# Altium PCB OneBox.PcbDoc (part 6 of 13)
Units mm, origin at the board's own origin, x right, y up, seen from the top; angles counter-clockwise.
Board outline 101 x 69 mm, 6 copper layers (L1_Sig, L2_Gnd, L3_Pow, L4_Sig, L5_Gnd, L6_Sig), stack 1.538 mm thick; 766 components, 563 nets, 3133 pads, 2914 vias.
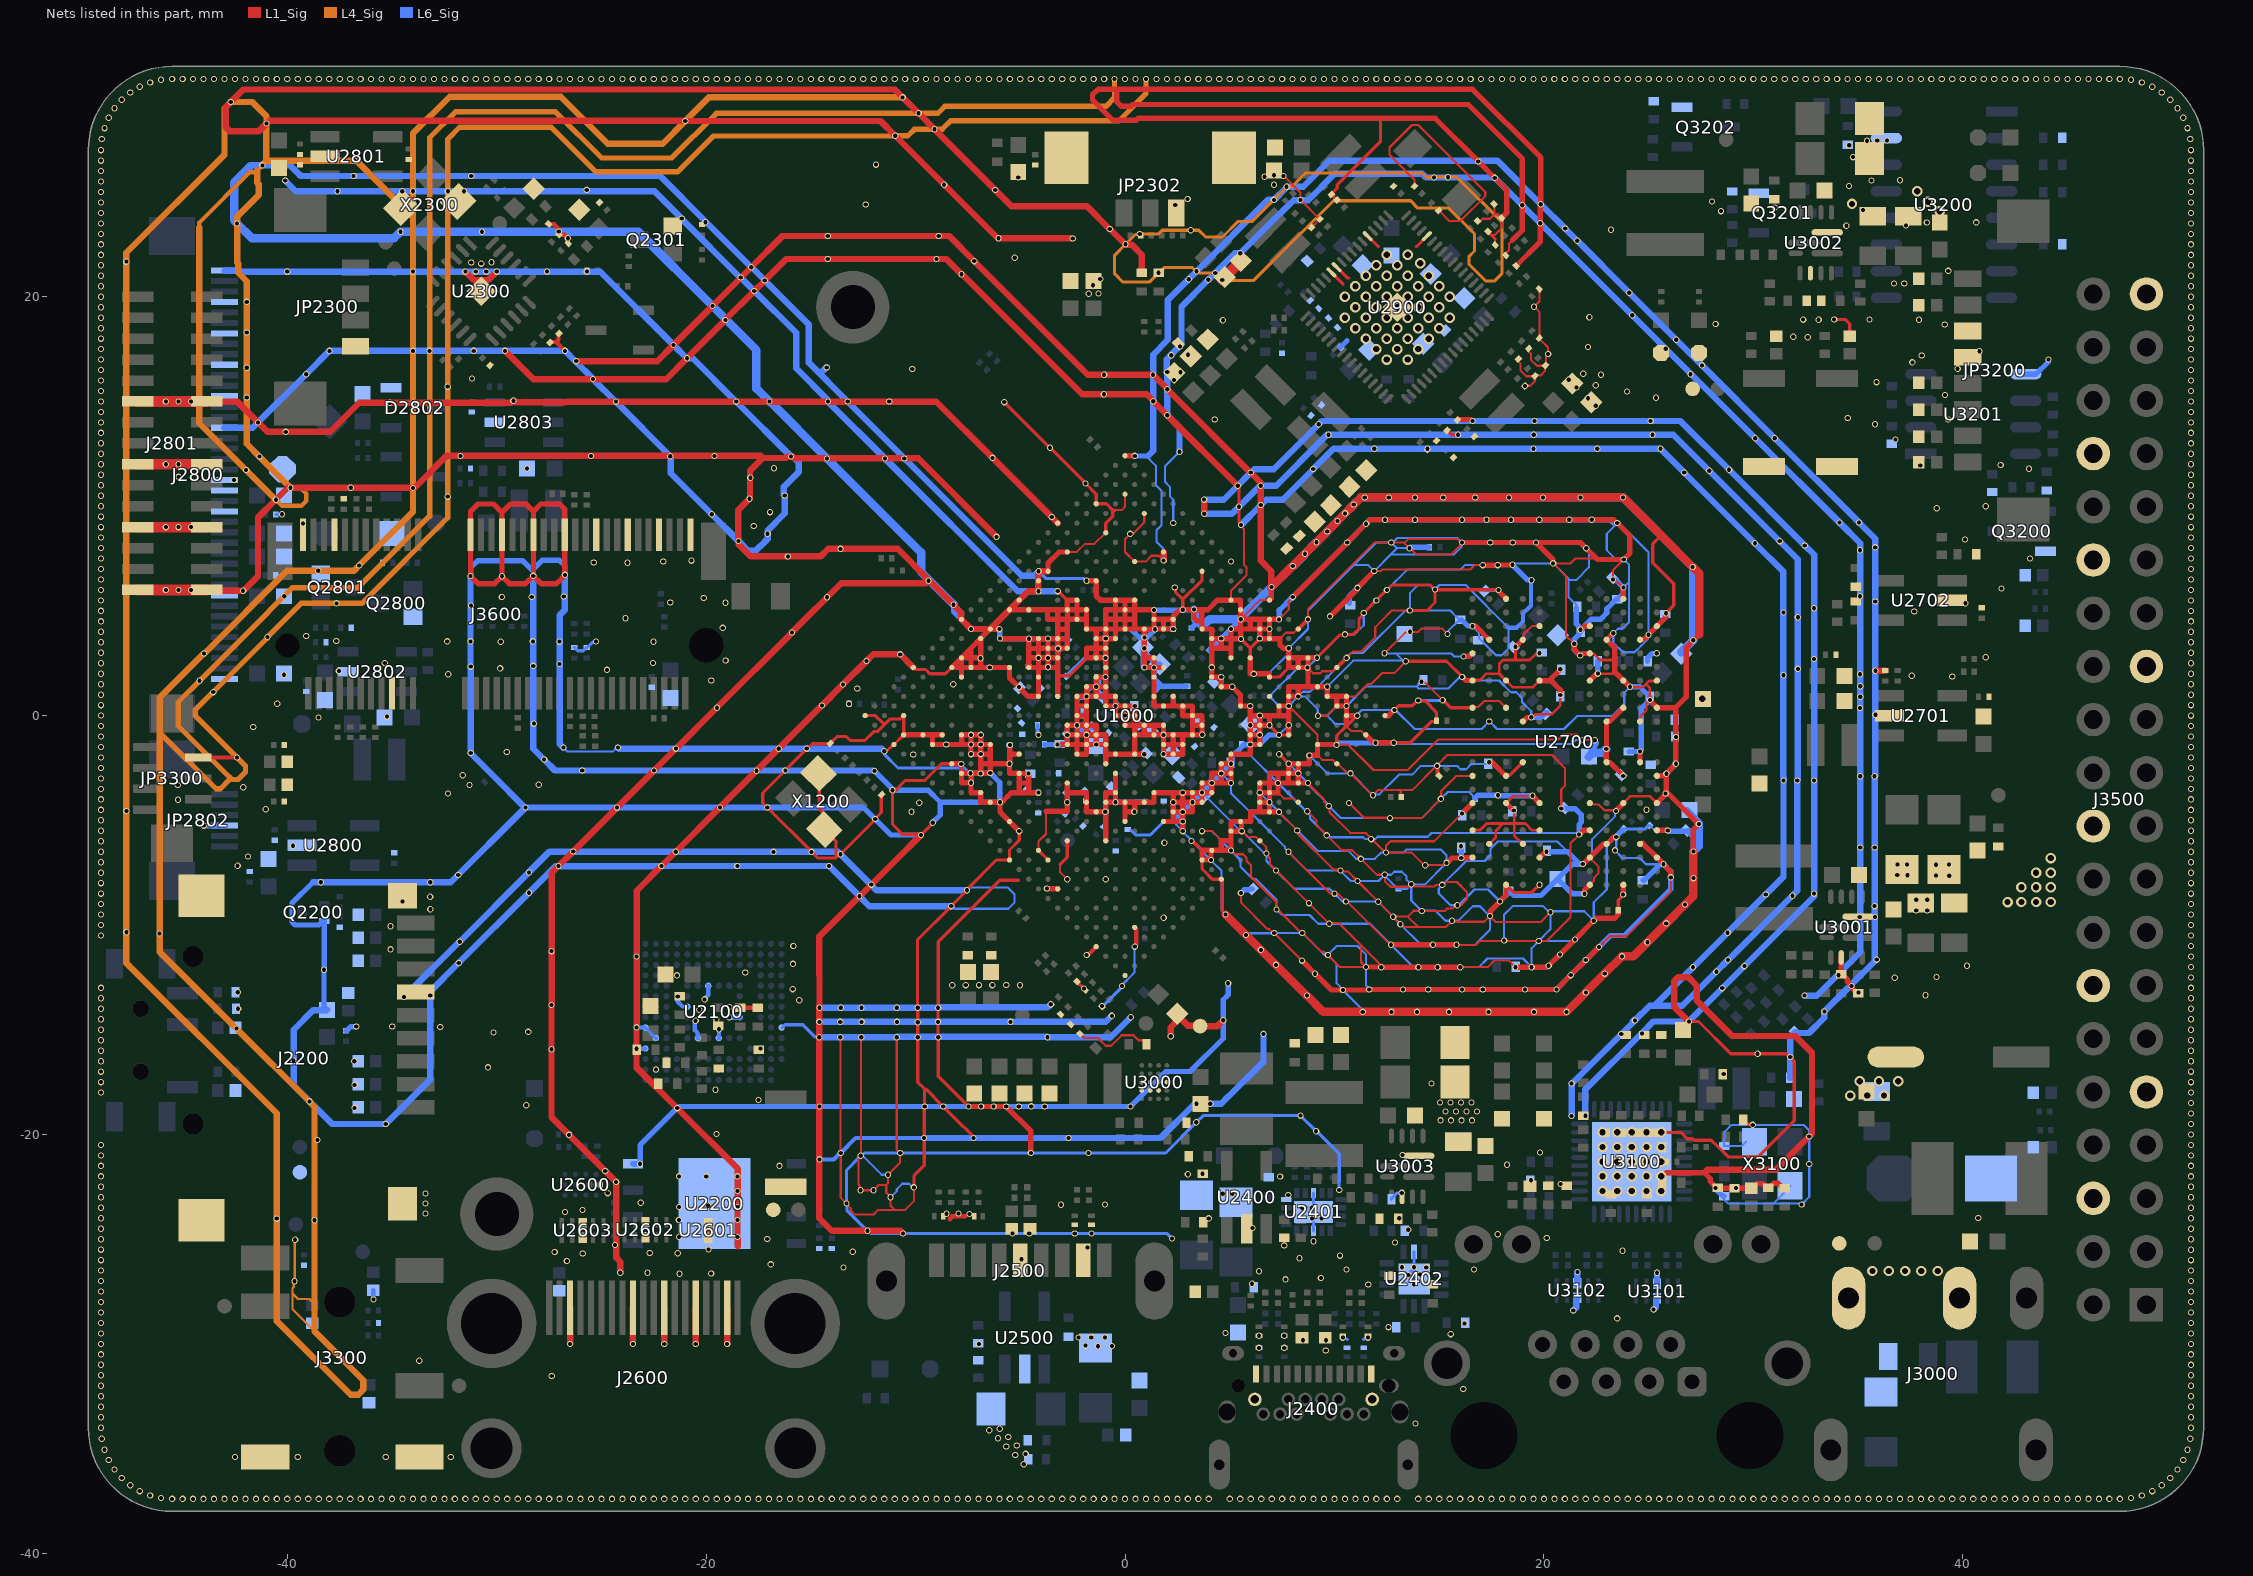
[diagram p10: the nets of this part, all layers, seen from the top]

## Via types
v1: diameter 0.3, hole 0.2, L1_Sig to L6_Sig, tented both sides, 2711 vias
v2: diameter 0.5, hole 0.3, L1_Sig to L6_Sig, tented both sides, 199 vias
v3: diameter 0.305, hole 0.203, L1_Sig to L6_Sig, tented both sides, 4 vias

## Nets (pads, with @x,y where several pads share a name; then routed paths per layer and width w, separated by ;. In a path a pad name is that pad's centre, name@x,y a point inside that pad or via, vN(x,y) a via of type N, cw(c..) or ccw(c..) an arc to the next point about the centre after c; other vN are vias at no path point) (continued)
GND: (continued)
  L1_Sig w0.254: U1000.AE27@-10.571,-0.919 U1000.AD26@-9.652,-0.919 -9.192,-0.919 ; U1000.AC25@-8.733,-0.919 -9.192,-0.919 ; U1000.AA26@-8.273,-2.298 -7.848,-2.298 -7.831,-2.315 v1(-7.818,-2.315) ; U1000.AB24@-7.814,-0.919 U1000.AB24@-7.8,-0.919 ; U1000.AE21@-7.814,1.838 -7.814,2.298 ; v1@-7.81,-2.307 -7.81,-2.754 U1000.Y26@-7.814,-2.758 ; v1(-7.472,-18.668) -7.469,-18.666 -5.678,-18.666 v1(-5.676,-18.663) -4.498,-19.841 v1(-4.498,-20.886) ; v1(-7.381,-2.751) -7.388,-2.758 U1000.Y26@-7.814,-2.758 ; v1@-7.375,-2.758 -7.372,-2.755 -6.897,-2.755 v1@-6.894,-2.758 ; v1@-7.34,-2.792 -7.34,-3 -7.354,-3.014 -7.354,-3.198 v1(-7.359,-3.203) ; U1000.AF17@-6.435,4.137 U1000.AF18@-6.894,3.677 ; v1(-5.975,3.677) -4.596,3.677 v1(-4.59,3.671) ; U1000.AF15@-5.515,5.056 U1000.AE14@-4.596,5.056 -3.7,5.056 ; U1000.V23@-5.5,-2.283 -5.5,-1.838 ; v1(-5.5,-1.4) -5.5,-1.838 ; v1(-5.056,-5.515) -5.975,-4.596 v1(-5.975,-4.137) ; U1000.V22@-5.056,-1.838 -5.5,-1.838 ; v1(-4.137,-3.677) -4.6,-3.677 ; -3.775,-4.565 -2.758,-4.565 v1(-2.758,-4.137) -2.758,-3.677 ; v1(-3.732,-8.256) -3.724,-8.265 -3.226,-8.265 U1000.J27@-3.217,-8.273 ; v1(-3.677,2.305) -3.685,2.298 -4.137,2.298 ; U1000.AF11@-3.677,6.894 -3.677,7.278 -3.141,7.814 U1000.AF9@-2.758,7.814 ; v1(-3.232,-1.379) U1000.T19@-2.758,-1.379 -2.298,-1.379 ; U1000.W17@-3.217,0.919 -3.217,1.9 -3.217,2.298 ; v1@-3.217,3.172 U1000.AA15@-3.217,2.758 ; v1@-3.217,3.283 U1000.AB14@-3.217,3.677 ; v1(-3.194,3.21) v1@-3.202,3.217 ; U1000.P21@-2.758,-3.217 -2.758,-3.677 ; U1000.T19@-2.758,-1.336 v1(-2.758,-0.919) ; U1000.V15@-1.841,1.376 U1000.V15@-1.838,1.379 ; -1.838,4.596 U1000.AB12@-2.298,4.596 ; v1(-1.838,6.438) -1.835,6.435 U1000.AC9@-1.379,6.435 -1.379,5.715 -1.179,5.515 U1000.AA9@-0.46,5.515 ; v1(-0.934,2.758) U1000.W13@-1.379,2.758 ; U1000.J22@-0.919,-5.975 -0.919,-4.65 -0.932,-4.638 -0.932,-4.609 v1@-0.919,-4.596 ; U1000.N18@-0.919,-2.298 -0.919,-1.838 ; U1000.W12@-0.919,3.217 -1.379,3.217 ; U1000.M18@-0.46,-2.758 U1000.L19@-0.46,-3.677 ; U1000.J20@0,-5.056 0,-4.596 ; U1000.AH1@0,12.41 0.459,12.41 v1(0.466,12.402) ; 0.166,-4.596 0,-4.596 ; 0.166,-4.596 0.436,-4.596 v1(0.445,-4.586) 0.455,-4.576 0.455,-4.541 0.457,-4.538 0.457,-4.137 ; U1000.U10@0.907,3.217 v1(0.919,3.217) ; v1(0.913,-1.844) 0.908,-1.838 U1000.M16@0.46,-1.838 ; U1000.T11@0.919,2.298 v1(0.921,2.296) ; v1@0.919,3.727 v1(0.922,3.73) 0.922,3.22 v1(0.919,3.217) ; v1@0.919,3.73 U1000.V9@0.919,4.137 ; v1@1.38,5.041 v1@1.38,5.037 ; v1(1.384,5.037) v1@1.38,5.037 ; v1(1.433,4.121) 1.428,4.126 0.93,4.126 U1000.V9@0.919,4.137 ; U1000.G18@1.838,-5.056 2.298,-5.056 ; U1000.R10@1.838,2.298 v1(1.379,2.298) ; U1000.N11@2.298,0.919 2.298,0.46 ; v1(2.758,-5.515) v1(2.758,-5.056) ; U1000.R6@3.674,4.14 3.674,4.523 ; U1000.R6@3.677,4.137 4.137,4.137 U1000.P6@4.137,3.677 ; v1(4.101,-6.891) 4.081,-6.891 4.08,-6.89 3.681,-6.89 U1000.C18@3.677,-6.894 3.677,-6.435 U1000.C17@4.137,-6.435 ; v1@4.102,-6.878 4.102,-6.469 U1000.C17@4.137,-6.435 ; U1000.M6@5.056,2.758 5.056,3.217 ; U1000.C14@5.515,-5.056 5.558,-5.099 5.558,-5.506 v1(5.568,-5.515) U1000.C15@5.056,-5.515 ; v1@5.52,3.672 5.525,3.677 5.525,3.926 5.515,3.936 5.515,4.137 ; v1(5.535,3.653) 5.525,3.663 5.269,3.663 5.256,3.677 5.056,3.677 ; U1000.L5@5.975,2.758 5.975,1.994 v1(6.141,1.994) 6.894,1.994 U1000.J5@6.894,1.838 ; U1000.N1@6.894,5.515 6.988,5.609 v1@6.988,6.127 ; v1(7.354,-4.596) U1000.B12@6.894,-4.596 ; v1(7.354,4.596) U1000.M2@6.894,4.596 ; U1000.E7@7.814,-0.919 v1(7.814,-0.46) 7.814,0 ; v1(8.009,5.658) v1(10.614,8.262) v1(11.512,9.16) 11.704,9.352 v1(12.41,9.352) v1(13.847,9.352) v1(16.092,9.352) v1(17.259,9.352) v1(18.426,9.352) v1(19.773,9.352) v1(21.21,9.352) v1(22.288,9.352) 23.334,9.352 23.486,9.2 v1(23.5,9.2) 24.1,8.6 24.1,7.739 v1(23.813,7.452) 22.559,7.452 ; v1(8.449,-11.7) v1(9.074,-12.326) ; v1(8.733,-3.217) U1000.B9@8.273,-3.217 ; v1@8.733,4.593 v1(8.733,4.596) ; v1@9.098,-12.335 9.863,-13.1 v1(10.4,-13.1) 11.625,-13.1 11.646,-13.079 v1(11.659,-13.079) v1(13.276,-13.079) v1(14.475,-13.079) v1(16.092,-13.079) v1(17.079,-13.079) v1(19.091,-13.079) v1(20.596,-13.079) v1(21.282,-12.393) v1(22,-11.674) v1(22.629,-11.046) ; v1(9.164,2.762) 9.16,2.758 U1000.H2@8.733,2.758 ; v1(9.783,4.739) 11.09,6.046 v1@11.09,6.09 ; U1000.B5@10.112,-1.379 U1000.C6@9.192,-1.379 9.192,-1.9 v1(8.8,-1.9) 8.8,-2.298 U1000.C8@8.273,-2.298 ; 10.562,-0.5 U1000.C3@10.562,-0.009 ; v1@11.055,-0.008 10.579,-0.008 U1000.C3@10.571,0 v1(10.571,0.46) ; v1(11.1,6.1) v1(11.9,6.9) ; v1(11.5,-12) 11.506,-12.006 v1@12.224,-12.006 ; U1000.A3@11.504,-0.919 11.868,-1.283 11.951,-1.283 v1(11.961,-1.293) v1(12.825,-1.293) ; v1(12.23,-12.012) v1(14.005,-12.012) v1(14.924,-12.012) v1(16.002,-12.012) ; U1000.A1@12.41,0 12.589,0 v1@12.849,0.26 ; v1(12.7,-10.946) v1(14.698,-10.946) v1(15.822,-10.946) ; v1(15.351,-7.032) 15.365,-7.032 15.601,-6.795 v1(16.051,-6.795) 16.065,-6.795 16.079,-6.781 16.587,-6.781 U2700.Y1@16.592,-6.776 ; C2919.1@15.877,14.123 15.892,14.138 16.506,14.138 16.574,14.07 v1(16.587,14.07) ; v1(16.092,8.262) v1(17.439,8.262) v1(18.516,8.262) v1(19.619,8.262) ; v1(16.093,-4.67) 16.096,-4.67 16.589,-4.176 U2700.T1@16.592,-4.176 ; v1(16.095,1.848) 16.108,1.848 16.278,1.679 16.587,1.679 U2700.G1@16.592,1.674 ; v1(16.156,2.824) 16.165,2.833 16.438,2.833 16.579,2.974 U2700.E1@16.592,2.974 ; U2700.C1@16.592,4.274 v1(16.592,4.268) 16.595,4.265 16.75,4.265 U2700.D2@17.392,3.624 ; v1(17.079,7.184) v1(17.798,7.184) 17.806,7.192 18.492,7.192 v1(18.5,7.2) ; U2700.N2@17.404,-2.226 17.413,-2.235 17.538,-2.235 18.179,-2.876 U2700.P3@18.192,-2.876 ; v1(17.421,-9.573) 17.43,-9.563 17.43,-9.348 v1@17.896,-8.882 ; v1(17.833,5.995) 17.843,5.985 17.843,5.935 18.192,5.586 U2700.A3@18.192,5.577 ; v1(17.905,-8.872) 17.905,-8.859 18.187,-8.578 18.187,-8.081 U2700.AB3@18.192,-8.076 ; C2940.2@17.984,23.766 18.232,24.013 18.232,25.099 17.654,25.677 v1(17.651,25.677) v1(16.868,26.46) 14.811,28.518 12.2,28.518 0.629,28.518 0.542,28.43 -0.596,28.43 -1.552,29.387 -1.552,29.648 -1.296,29.904 -0.384,29.904 ; U2700.T3@18.192,-4.18 18.203,-4.18 18.55,-4.528 v1(18.562,-4.528) ; 18.5,22.7 18.966,23.166 18.966,24.344 v1@18.987,24.366 ; v1@18.647,-12.013 v1(19.414,-12.012) 20.144,-12.012 20.211,-11.946 v1(20.224,-11.946) v1(20.763,-11.407) v1(21.482,-10.689) v1(22.38,-9.791) 22.394,-9.791 22.506,-9.679 23.364,-9.679 23.55,-9.493 C2713.1@23.55,-9.3 ; v1@18.648,3.284 U2700.D4@18.988,3.624 ; C2945.2@18.678,21.478 19.822,22.622 v1(19.822,23.509) 19.822,24.377 19.851,24.406 v1(19.851,24.418) 19.851,26.649 16.596,29.904 -0.384,29.904 ; v1(18.966,24.366) 18.966,26.601 16.388,29.178 0.356,29.178 0.269,29.091 -0.164,29.091 -0.4,29.327 -0.4,29.888 -0.384,29.904 ; U2700.K4@18.979,-0.276 U2700.K4@18.992,-0.276 ; U2700.K4@18.995,-0.276 19.004,-0.276 19.192,-0.088 19.388,-0.088 v1(19.397,-0.079) ; v1(19.452,-3.829) 19.452,-3.833 19.792,-4.173 U2700.T5@19.792,-4.176 ; U2700.Y5@19.792,-6.776 19.799,-6.776 20.069,-6.507 20.109,-6.507 v1(20.118,-6.497) ; U2700.G5@19.794,1.671 20.337,1.671 20.773,1.235 20.773,0.991 v1(20.782,0.981) ; 20.253,1.679 v1(20.784,2.21) ; v1(20.44,7.27) 20.43,7.28 20.43,7.451 v1(19.619,8.262) ; v1(21.444,3.431) 21.453,3.421 21.453,3.147 21.731,2.869 v1(21.731,2.866) 21.745,2.866 21.848,2.969 22.187,2.969 U2700.E8@22.192,2.974 ; v1(21.681,-5.681) 21.695,-5.681 21.894,-5.481 22.187,-5.481 U2700.V8@22.192,-5.476 ; v1(21.75,4.097) 21.764,4.097 21.932,4.265 22.183,4.265 U2700.C8@22.192,4.274 ; v1(21.859,-7.082) 21.868,-7.073 21.895,-7.073 U2700.Y8@22.192,-6.776 22.837,-6.131 22.987,-6.131 U2700.W9@22.992,-6.126 22.999,-6.126 23.313,-5.812 23.441,-5.812 v1(23.451,-5.803) ; v1(21.931,-8.509) 21.941,-8.499 21.941,-8.334 22.192,-8.083 U2700.AB8@22.192,-8.076 ; U2700.G8@22.187,1.679 U2700.G8@22.192,1.674 22.199,1.674 22.52,1.995 22.565,1.995 v1(22.575,2.005) ; v1(22.431,-1.174) v1@22.44,-1.184 ; 22.511,7.5 v1(22.018,7.992) 21.749,8.262 v1(19.619,8.262) ; v1(23.313,3.931) 23.306,3.931 22.999,3.624 U2700.D9@22.992,3.624 23.387,3.228 23.387,2.078 ; 23.405,2.06 23.46,2.005 U2700.G10@23.792,1.674 24.079,1.386 24.104,1.386 v1(24.114,1.376) ; v1(23.437,-4.554) 23.447,-4.544 23.447,-4.528 23.792,-4.183 U2700.T10@23.792,-4.176 ; v1(23.782,-8.541) 23.787,-8.537 23.787,-8.081 U2700.AB10@23.792,-8.076 ; U2700.P10@23.787,-2.871 23.15,-2.235 23,-2.235 U2700.N9@22.992,-2.226 22.983,-2.218 22.983,-1.605 v1(22.977,-1.599) 22.984,-1.592 22.984,-0.284 U2700.K9@22.992,-0.276 22.997,-0.271 23.147,-0.271 U2700.J10@23.792,0.374 ; U2700.A10@23.792,5.574 23.794,5.575 23.794,6.114 v1(23.795,6.115) ; v1(24.585,-1.717) 24.588,-1.721 24.588,-2.223 U2700.N11@24.592,-2.226 ; U2700.W11@24.592,-6.126 24.674,-6.126 24.7,-6.1 24.715,-6.1 U2700.Y12@25.392,-6.776 v1(25.709,-7.094) 25.709,-7.108 26.05,-7.449 26.05,-7.713 v1(26.06,-7.723) ; U2700.D11@24.592,3.624 24.6,3.632 24.767,3.632 v1@24.988,3.854 ; v1(24.997,3.862) 24.997,3.871 25.392,4.265 U2700.C12@25.392,4.274 25.812,4.694 25.812,4.876 v1(25.822,4.885) ; v1(25.061,0.746) 25.071,0.736 25.071,0.702 25.392,0.381 U2700.J12@25.392,0.374 26.274,0.374 ; U2700.V12@25.392,-5.476 25.397,-5.481 25.907,-5.481 v1(25.916,-5.49) ; U2700.T12@25.392,-4.176 25.802,-3.766 25.802,-3.73 v1(25.812,-3.72) ; U2700.P12@25.392,-2.876 25.731,-2.876 25.833,-2.774 v1(25.847,-2.774) 25.847,-2.763 26.3,-2.31 v1(26.3,-2.3) v1(26.3,-1.023) 26.3,0.347 26.274,0.374 ; v2(25.6,-22) 25.669,-22 25.847,-21.821 27.664,-21.821 27.942,-22.099 27.942,-22.242 C3118.1@28.25,-22.55 ; v1@25.847,-2.876 25.847,-3.671 25.817,-3.701 25.817,-3.715 v1(25.812,-3.72) ; v1@27.122,3.586 27.122,3.577 26.8,3.255 26.8,0.9 26.274,0.374 ; v1(27.131,3.6) 27.408,3.877 ; v1(27.137,-6.49) 27.137,-5.438 v1(27.398,-5.178) ; v1@27.388,-5.168 25.951,-3.73 25.821,-3.73 v1(25.812,-3.72) ; v1(28.193,-22.551) 28.194,-22.55 C3118.1@28.25,-22.55 ; C3118.1@28.3,-22.55 C3118.1@28.25,-22.55 ; R3102.1@29.1,-22.575 29.9,-22.575 29.973,-22.502 30.023,-22.502 30.186,-22.339 30.439,-22.339 30.577,-22.477 30.627,-22.477 30.7,-22.55 30.773,-22.477 30.823,-22.477 30.97,-22.33 31.205,-22.33 31.377,-22.502 31.427,-22.502 R3121.2@31.5,-22.575 ; v1(29.165,-22.551) 29.053,-22.551 29.041,-22.562 28.363,-22.562 28.35,-22.55 C3118.1@28.25,-22.55 ; U3001.10@34.2,-11.55 C3018.2@34.2,-12.35 34.25,-12.35 34.483,-12.583 34.483,-12.687 34.69,-12.895 v1(34.69,-12.907) ; v1@34.679,-12.955 34.679,-12.979 34.95,-13.25 C3014.2@35,-13.25 ; v1(-29.75,6.65) J3600.39@-29.75,8.625 -29.75,9.696 ; v1(-29.75,6.65) -29.4,6.3 -28.63,6.3 v1(-28.257,6.672) ; v1(-29.75,6.65) -30.1,6.3 -30.9,6.3 -31.25,6.65 v1(-31.25,6.661) J3600.33@-31.25,8.625 -31.25,9.75 -30.9,10.1 -30.154,10.1 -29.75,9.696 ; -29.75,9.696 -29.346,10.1 -28.6,10.1 -28.25,9.75 ; v1(-28.257,6.672) -27.885,6.3 -27.148,6.3 -26.912,6.536 -26.912,6.54 -26.745,6.707 v1(-26.745,6.721) -26.748,6.723 -26.748,8.623 J3600.51@-26.75,8.625 -26.75,9.85 -27,10.1 -27.9,10.1 -28.25,9.75 ; v1(-28.257,6.672) -28.25,6.68 J3600.45@-28.25,8.625 -28.25,9.75 ; -9.192,-0.919 U1000.AC26@-9.192,-1.379 -7.8,-1.379 ; U1000.Y26@-7.814,-2.758 -7.814,-3.203 v1(-7.359,-3.203) ; -7.814,2.298 U1000.AE20@-7.354,2.298 ; -7.814,2.298 U1000.AF21@-8.273,2.298 U1000.AF20@-7.814,2.758 ; -7.814,2.298 U1000.AF20@-7.814,2.758 ; U1000.AF20@-7.814,2.758 -7.354,2.758 ; U1000.AF20@-7.814,2.758 -7.354,3.217 ; -7.8,-1.379 U1000.AB24@-7.8,-0.919 ; -7.8,-1.379 v1(-7.354,-1.379) ; U1000.AB24@-7.8,-0.919 v1(-7.354,-0.919) ; v1(-7.359,-3.203) -7.359,-3.677 U1000.V26@-6.894,-3.677 -6.894,-4.137 U1000.U26@-6.435,-4.137 v1(-5.975,-4.137) ; v1(-7.354,-1.379) v1(-6.894,-1.379) ; v1(-7.354,-1.379) v1(-7.354,-1.838) v1(-6.894,-1.838) ; v1(-7.354,-1.379) v1(-7.354,-0.919) ; v1(-7.354,-0.919) v1(-6.894,-0.919) v1(-6.894,-1.379) ; U1000.AE20@-7.354,2.298 -7.354,2.758 ; U1000.AE20@-7.354,2.298 -6.894,2.298 ; -7.354,2.758 -7.098,2.758 -7.093,2.753 -6.911,2.753 v1(-6.901,2.743) ; -7.354,2.758 -7.354,3.217 ; -7.354,3.217 U1000.AF18@-6.894,3.677 ; v1(-6.901,2.743) -6.894,2.736 -6.894,2.298 ; v1(-6.901,2.743) -6.894,2.75 U1000.AF18@-6.894,3.677 ; v1@-6.894,-2.758 -6.463,-2.758 -6.451,-2.746 v1(-6.438,-2.746) -6.435,-2.742 -6.435,-2.298 ; v1@-6.894,-2.758 -6.894,-2.298 ; -6.894,-2.298 -6.435,-2.298 ; -6.894,-2.298 v1(-6.894,-1.838) ; v1(-6.894,-1.838) -6.435,-1.838 ; v1(-6.894,-1.838) v1(-6.894,-1.379) ; v1(-6.894,-1.379) U1000.Y23@-6.435,-1.379 -6.435,-1.838 ; -6.894,2.298 -6.466,2.298 v1(-6.462,2.302) -6.458,2.298 U1000.AC18@-5.515,2.298 -5.515,1.798 -5.077,1.359 v1(-5.067,1.359) -5.067,1.35 -4.637,0.919 U1000.Y18@-4.137,0.919 U1000.AA17@-4.137,1.838 -4.137,2.298 ; -6.435,-2.298 v1(-5.515,-2.298) -5.515,-2.758 U1000.U23@-5.056,-2.758 ; -6.435,-2.298 -6.435,-1.838 ; v1(-5.975,-4.137) -5.965,-4.127 -5.874,-4.127 -5.6,-3.853 -5.424,-3.677 -5.056,-3.677 ; -5.056,-3.677 -5.056,-3.217 ; -5.056,-3.677 -4.6,-3.677 ; -5.056,-3.217 -4.6,-3.217 ; -5.056,-3.217 U1000.U23@-5.056,-2.758 ; U1000.U23@-5.056,-2.758 -5.053,-2.761 v1(-4.61,-2.761) -4.61,-2.775 -4.6,-2.785 -4.6,-3.217 ; -4.6,-3.677 -4.6,-3.217 ; -4.596,2.758 v1(-4.137,2.758) ; -4.596,2.758 -4.596,3.2 ; -4.596,2.758 U1000.AB17@-4.596,2.298 -4.138,2.298 -4.137,2.3 ; -4.596,3.2 -4.596,3.671 v1(-4.59,3.671) ; -4.596,3.2 -4.137,3.2 ; v1(-4.59,3.671) -4.584,3.677 U1000.AC15@-4.137,3.677 ; -4.137,2.298 -4.137,2.3 ; -4.137,2.3 v1(-4.137,2.758) ; v1(-4.137,2.758) v1(-3.677,2.758) ; v1(-4.137,2.758) -4.137,3.2 ; -4.137,3.2 -4.137,3.217 ; -4.137,3.217 U1000.AC15@-4.137,3.677 ; -4.137,3.217 U1000.AB15@-3.677,3.217 ; U1000.AC15@-4.137,3.677 v1(-3.677,3.677) ; -3.7,5.056 -3.2,5.056 ; -3.7,5.056 -3.7,4.596 -3.217,4.596 ; v1(-3.677,2.758) -3.677,2.327 -3.672,2.322 -3.664,2.322 -3.664,2.306 -3.656,2.298 -3.217,2.298 ; v1(-3.677,2.758) U1000.AA15@-3.217,2.758 ; v1(-3.677,2.758) U1000.AB15@-3.677,3.217 ; U1000.AB15@-3.677,3.217 v1@-3.202,3.217 ; U1000.AB15@-3.677,3.217 v1(-3.677,3.677) ; v1(-3.677,3.677) U1000.AB14@-3.217,3.677 ; -3.217,2.298 U1000.AA15@-3.217,2.758 ; U1000.AB14@-3.217,3.677 -3.217,4.128 ; U1000.AB14@-3.217,3.677 -2.779,3.677 -2.758,3.698 ; -3.217,4.128 -3.217,4.579 ; -3.217,4.128 -2.808,4.128 -2.758,4.178 ; -3.217,4.579 -3.217,4.596 ; -3.217,4.579 -3.2,4.596 ; -3.217,4.596 -3.2,4.596 ; -3.217,4.596 -3.217,5.038 -3.2,5.056 ; v1@-3.202,3.217 U1000.AA14@-2.758,3.217 -2.758,3.698 ; -3.2,4.596 -2.749,4.596 ; -3.2,5.056 U1000.AC12@-2.758,5.056 ; -2.758,-3.677 -1.838,-3.677 U1000.M21@-1.838,-4.137 -1.838,-4.596 U1000.L21@-1.379,-4.596 v1@-0.919,-4.596 ; v1(-2.758,-0.919) U1000.U18@-2.758,-0.46 v1(-2.298,-0.46) ; v1(-2.758,-0.919) U1000.T18@-2.298,-0.919 ; -2.758,3.698 -2.758,4.178 ; -2.758,4.178 -2.758,4.588 -2.749,4.596 ; U1000.AC12@-2.758,5.056 -2.758,5.515 U1000.AC11@-2.298,5.515 -2.298,5.056 ; U1000.AC12@-2.758,5.056 U1000.AC12@-2.749,5.056 ; -2.749,4.596 U1000.AC12@-2.749,5.056 ; -2.749,4.596 U1000.AB12@-2.298,4.596 ; U1000.AC12@-2.749,5.056 -2.298,5.056 ; -2.298,-1.379 U1000.R18@-1.838,-1.379 ; -2.298,-1.379 U1000.T18@-2.298,-0.919 ; -2.298,-1.379 U1000.R19@-2.298,-1.838 -1.838,-1.838 U1000.R18@-1.838,-1.379 ; U1000.T18@-2.298,-0.919 v1(-1.838,-0.919) ; U1000.T18@-2.298,-0.919 v1(-2.298,-0.46) ; v1(-2.298,-0.46) U1000.U17@-2.298,0 ; v1(-2.298,-0.46) U1000.T17@-1.838,-0.46 ; U1000.U17@-2.298,0 -1.838,0 ; U1000.U17@-2.298,0 -2.298,0.46 ; -2.298,0.46 U1000.V16@-2.298,0.919 v1(-1.838,0.919) ; -2.298,0.46 U1000.U16@-1.838,0.46 ; U1000.AB12@-2.298,4.596 -2.298,5.056 ; -2.298,5.056 U1000.AB11@-1.838,5.056 U1000.AA12@-1.838,4.137 -1.379,4.137 ; U1000.R18@-1.838,-1.379 v1(-1.379,-1.379) ; U1000.R18@-1.838,-1.379 v1(-1.838,-0.919) ; v1(-1.838,-0.919) U1000.R17@-1.379,-0.919 ; v1(-1.838,-0.919) U1000.T17@-1.838,-0.46 ; U1000.T17@-1.838,-0.46 -1.838,0 ; U1000.T17@-1.838,-0.46 -1.379,-0.46 U1000.R17@-1.379,-0.919 ; -1.838,0 U1000.U16@-1.838,0.46 ; U1000.U16@-1.838,0.46 v1(-1.838,0.919) ; v1(-1.838,0.919) U1000.U15@-1.379,0.919 ; v1(-1.838,0.919) U1000.V15@-1.838,1.379 ; U1000.V15@-1.838,1.379 v1(-1.379,1.379) ; v1(-1.379,-1.379) U1000.P17@-0.919,-1.379 ; v1(-1.379,-1.379) U1000.R17@-1.379,-0.919 ; U1000.R17@-1.379,-0.919 -0.919,-0.919 U1000.P17@-0.919,-1.379 ; U1000.U15@-1.379,0.919 -0.919,0.919 ; U1000.U15@-1.379,0.919 v1(-1.379,1.379) ; v1(-1.379,1.379) U1000.U14@-0.919,1.379 ; v1(-1.379,1.379) U1000.V14@-1.379,1.838 v1(-0.939,1.84) v1(-0.939,1.84) ; U1000.W13@-1.379,2.758 -1.838,2.758 -1.838,3.217 -1.379,3.217 ; U1000.W13@-1.379,2.758 -1.379,3.217 ; -1.379,3.217 U1000.Y12@-1.379,3.677 ; U1000.Y12@-1.379,3.677 v1(-0.919,3.677) ; U1000.Y12@-1.379,3.677 -1.379,4.137 ; -1.379,4.137 U1000.Y11@-0.919,4.137 ; v1(-0.939,1.84) -0.929,1.83 -0.929,1.57 -0.919,1.561 U1000.U14@-0.919,1.379 ; v1(-0.939,1.84) -0.929,1.85 -0.929,2.11 -0.919,2.119 U1000.V13@-0.919,2.298 v1(-0.919,3.677) ; v1@-0.919,-4.596 U1000.L20@-0.919,-4.137 ; U1000.L20@-0.919,-4.137 -0.919,-3.677 U1000.L19@-0.46,-3.677 ; U1000.L20@-0.919,-4.137 v1(-0.46,-4.137) ; -0.919,-1.838 U1000.P17@-0.919,-1.379 ; -0.919,-1.838 U1000.N17@-0.46,-1.838 U1000.M16@0.46,-1.838 ; -0.919,0.919 U1000.T14@-0.46,0.919 v1(-0.46,0.46) ; -0.919,0.919 U1000.U14@-0.919,1.379 ; -0.919,0.919 U1000.T15@-0.919,0.46 v1(-0.46,0.46) ; v1(-0.919,3.677) U1000.W11@-0.46,3.677 -0.46,4.137 ; v1(-0.919,3.677) U1000.Y11@-0.919,4.137 ; U1000.Y11@-0.919,4.137 -0.919,4.596 ; U1000.Y11@-0.919,4.137 -0.46,4.137 ; -0.919,4.596 -0.919,5.056 -0.46,5.056 ; -0.919,4.596 -0.46,4.596 ; v1(-0.46,-4.137) U1000.K19@0,-4.137 ; v1(-0.46,-4.137) U1000.L19@-0.46,-3.677 ; v1(-0.46,0.46) U1000.R14@0,0.46 ; v1(-0.46,0.46) U1000.R15@-0.46,0 v1(0,0) ; -0.46,4.137 -0.46,4.596 ; -0.46,4.137 U1000.W10@0,4.137 ; -0.46,4.596 -0.46,5.056 ; -0.46,4.596 0,4.596 ; -0.46,5.056 U1000.Y9@0,5.056 ; -0.46,5.056 U1000.AA9@-0.46,5.515 ; U1000.AA9@-0.46,5.515 0,5.515 ; 0,-4.596 U1000.K19@0,-4.137 ; U1000.K19@0,-4.137 0.457,-4.137 ; v1(0,0) U1000.R14@0,0.46 ; v1(0,0) U1000.P14@0.46,0 ; v1(0,0) U1000.P15@0,-0.46 0.46,-0.46 ; U1000.R14@0,0.46 v1(0.46,0.46) U1000.P14@0.46,0 ; U1000.W10@0,4.137 0.46,4.137 ; U1000.W10@0,4.137 0,4.596 ; 0,4.596 0.46,4.596 ; 0,4.596 U1000.Y9@0,5.056 ; U1000.Y9@0,5.056 0.46,5.056 ; U1000.Y9@0,5.056 0,5.515 ; 0,5.515 U1000.Y8@0.46,5.515 0.46,5.056 ; 0.457,-4.137 U1000.J18@0.919,-4.137 1.379,-4.137 U1000.J17@1.379,-3.677 2.298,-3.677 ; U1000.M16@0.46,-1.838 U1000.N15@0.46,-0.919 ; U1000.N15@0.46,-0.919 0.919,-0.919 ; U1000.N15@0.46,-0.919 0.46,-0.46 ; 0.46,-0.46 U1000.N14@0.919,-0.46 ; 0.46,-0.46 U1000.P14@0.46,0 ; 0.46,4.137 0.46,4.596 ; 0.46,4.137 U1000.V9@0.919,4.137 ; 0.46,4.596 0.46,5.056 ; 0.46,5.056 1.352,5.056 1.37,5.037 v1@1.38,5.037 ; 0.919,-0.919 U1000.M14@1.379,-0.919 ; 0.919,-0.919 U1000.N14@0.919,-0.46 ; U1000.N14@0.919,-0.46 1.379,-0.46 ; 0.919,2.758 v1(0.919,3.217) ; 0.919,2.758 U1000.T10@1.379,2.758 v1(1.379,2.298) ; 0.919,2.758 U1000.T11@0.919,2.298 v1(1.379,2.298) ; U1000.M14@1.379,-0.919 v1(1.838,-0.919) ; U1000.M14@1.379,-0.919 1.379,-0.46 ; 1.379,-0.46 U1000.M13@1.838,-0.46 v1(1.838,-0.919) ; v1(1.379,2.298) U1000.R11@1.379,1.838 U1000.P12@1.379,0.919 1.379,0.46 U1000.N12@1.838,0.46 2.298,0.46 ; U1000.V8@1.379,4.596 1.379,4.175 1.418,4.137 U1000.U8@1.838,4.137 ; U1000.V8@1.379,4.596 U1000.V8@1.379,4.596 v1@1.38,5.037 ; U1000.V8@1.379,4.596 1.838,4.596 ; U1000.L14@1.838,-1.379 v1(1.838,-1.838) U1000.K14@2.298,-1.838 ; U1000.L14@1.838,-1.379 v1(1.838,-0.919) ; U1000.L14@1.838,-1.379 2.298,-1.379 ; v1(1.838,-0.919) U1000.L13@2.298,-0.919 ; U1000.U8@1.838,4.137 v1(2.298,4.137) U1000.U7@2.298,4.596 ; U1000.U8@1.838,4.137 1.838,4.596 ; 1.838,4.596 U1000.U7@2.298,4.596 ; 2.298,-5.056 v1(2.758,-5.056) ; 2.298,-5.056 U1000.G17@2.298,-4.596 ; U1000.G17@2.298,-4.596 v1(2.758,-4.596) ; U1000.G17@2.298,-4.596 v1(2.298,-4.137) ; v1(2.298,-4.137) 2.298,-3.677 ; v1(2.298,-4.137) 2.758,-4.137 ; 2.298,-3.677 v1(2.758,-3.677) ; U1000.K14@2.298,-1.838 2.758,-1.838 U1000.K13@2.758,-1.379 ; U1000.K14@2.298,-1.838 2.298,-1.379 ; 2.298,-1.379 U1000.K13@2.758,-1.379 ; 2.298,-1.379 U1000.L13@2.298,-0.919 ; U1000.L13@2.298,-0.919 2.758,-0.919 ; 2.298,0.46 U1000.M11@2.758,0.46 ; U1000.U7@2.298,4.596 2.298,4.729 2.631,5.062 2.758,5.062 v1(3.291,5.062) v1@3.291,5.056 ; v1(2.758,-5.056) v1(2.758,-4.596) ; v1(2.758,-4.596) 3.217,-4.596 v1(3.217,-4.137) ; v1(2.758,-4.596) 2.758,-4.137 ; 2.758,-4.137 v1(3.217,-4.137) ; 2.758,-4.137 v1(2.758,-3.677) ; v1(2.758,-3.677) U1000.G15@3.217,-3.677 ; U1000.K13@2.758,-1.379 2.758,-0.919 ; 2.758,-0.919 U1000.K12@3.217,-0.919 ; U1000.M11@2.758,0.46 2.758,0 U1000.L11@3.217,0 ; U1000.M11@2.758,0.46 3.217,0.46 U1000.L11@3.217,0 ; v1(3.217,-4.137) U1000.F15@3.677,-4.137 v1(3.677,-3.677) ; v1(3.217,-4.137) U1000.G15@3.217,-3.677 ; U1000.G15@3.217,-3.677 v1(3.677,-3.677) ; U1000.K12@3.217,-0.919 3.677,-0.919 U1000.K11@3.677,-0.46 ; U1000.K12@3.217,-0.919 3.217,-0.46 ; 3.217,-0.46 U1000.L11@3.217,0 ; 3.217,-0.46 U1000.K11@3.677,-0.46 ; U1000.L11@3.217,0 3.677,0 U1000.K11@3.677,-0.46 ; v1@3.291,5.056 3.674,5.056 ; v1@3.291,5.056 3.291,4.672 3.44,4.523 3.674,4.523 ; 3.674,4.523 3.674,5.056 ; 3.674,5.056 3.956,5.056 4.415,5.515 U1000.R3@5.056,5.515 5.515,5.515 5.515,4.605 v1(5.522,4.599) ; v1(3.677,-3.677) U1000.F14@4.137,-3.677 v1(4.137,-3.217) ; v1(3.677,-3.677) U1000.G14@3.677,-3.217 v1(4.137,-3.217) ; U1000.C17@4.137,-6.435 4.596,-6.435 ; v1(4.137,-3.217) 4.596,-3.217 ; v1(4.137,-3.217) 4.137,-2.758 v1(4.596,-2.758) ; 4.137,3.217 U1000.M8@4.137,1.838 v1(4.596,1.838) U1000.L8@4.596,1.379 v1(5.119,1.379) 5.515,0.982 U1000.J8@5.515,0.46 v1(5.975,0.46) 5.975,0 ; 4.137,3.217 4.596,3.217 ; 4.137,3.217 U1000.P6@4.137,3.677 ; U1000.P6@4.137,3.677 v1(4.596,3.677) ; 4.596,-6.435 U1000.B16@5.056,-6.435 5.056,-5.975 ; 4.596,-6.435 4.596,-5.975 5.056,-5.975 ; 4.596,-3.217 5.056,-3.217 v1(5.058,-3.215) 5.056,-3.213 U1000.F12@5.056,-2.758 ; 4.596,-3.217 v1(4.596,-2.758) ; v1(4.596,-2.758) U1000.F12@5.056,-2.758 ; v1(4.596,-2.758) U1000.G12@4.596,-2.298 v1(5.056,-2.298) ; 4.596,3.217 5.056,3.217 ; 4.596,3.217 v1(4.596,3.677) ; v1(4.596,3.677) 5.056,3.677 ; 5.056,-5.975 U1000.C15@5.056,-5.515 ; U1000.C15@5.056,-5.515 5.056,-5.056 6,-5.056 6,-4.596 6.435,-4.596 ; U1000.F12@5.056,-2.758 v1(5.056,-2.298) ; v1(5.056,-2.298) U1000.G11@5.056,-1.838 5.975,-1.838 v1(5.975,-1.379) ; 5.056,3.217 5.056,3.677 ; 5.056,3.677 v1(5.056,4.137) 5.515,4.137 ; 5.515,4.137 5.515,4.592 v1(5.522,4.599) ; 5.515,4.137 5.975,4.137 ; v1(5.522,4.599) 5.524,4.596 5.975,4.596 ; v1(5.975,-1.379) U1000.G9@5.975,-0.919 ; v1(5.975,-1.379) U1000.F9@6.435,-1.379 v1(6.435,-0.919) ; U1000.G9@5.975,-0.919 v1(5.975,-0.46) ; U1000.G9@5.975,-0.919 v1(6.435,-0.919) ; v1(5.975,-0.46) 5.975,0 ; v1(5.975,-0.46) U1000.G8@6.435,-0.46 ; 5.975,0 v1(6.435,0) ; 5.975,4.137 U1000.M3@6.435,4.137 ; 5.975,4.137 5.975,4.596 ; 5.975,4.596 6.435,4.596 ; 6.435,-4.596 U1000.B12@6.894,-4.596 ; 6.435,-4.596 U1000.C12@6.435,-4.137 ; U1000.C12@6.435,-4.137 v1(6.894,-4.137) ; U1000.C12@6.435,-4.137 v1(6.435,-3.677) ; v1(6.435,-3.677) U1000.D11@6.435,-3.217 6.894,-3.217 ; v1(6.435,-3.677) U1000.C11@6.894,-3.677 ; v1(6.435,-0.919) U1000.G8@6.435,-0.46 ; U1000.G8@6.435,-0.46 v1(6.894,-0.46) 6.894,0 ; U1000.G8@6.435,-0.46 v1(6.435,0) ; v1(6.435,0) 6.894,0 ; U1000.M3@6.435,4.137 v1(6.435,3.677) U1000.L3@6.894,3.677 ; U1000.M3@6.435,4.137 v1(6.894,4.137) ; U1000.M3@6.435,4.137 6.435,4.596 ; 6.435,4.596 U1000.M2@6.894,4.596 ; U1000.B12@6.894,-4.596 v1(6.894,-4.137) ; v1(6.894,-4.137) U1000.C11@6.894,-3.677 ; U1000.C11@6.894,-3.677 7.3,-3.677 v1(7.3,-3.217) ; U1000.C11@6.894,-3.677 6.894,-3.217 ; 6.894,-3.217 v1(7.3,-3.217) ; 6.894,-3.217 6.894,-2.758 7.3,-2.758 ; 6.894,0 7.354,0 ; U1000.L3@6.894,3.677 v1(6.894,4.137) ; U1000.L3@6.894,3.677 7.4,3.677 7.4,3.366 7.549,3.217 v1(7.813,3.217) U1000.J3@7.814,2.758 ; v1(6.894,4.137) U1000.M2@6.894,4.596 ; v1(7.3,-3.217) 7.787,-3.217 ; v1(7.3,-3.217) 7.3,-2.758 ; 7.3,-2.758 U1000.C9@7.787,-2.758 ; 7.354,0 7.814,0 ; 7.354,0 U1000.G6@7.354,0.46 v1(7.814,0.46) ; 7.787,-3.217 U1000.C9@7.787,-2.758 ; 7.787,-3.217 U1000.B9@8.273,-3.217 ; U1000.C9@7.787,-2.758 U1000.C9@7.814,-2.758 ; U1000.C9@7.814,-2.758 v1(7.814,-2.298) U1000.C8@8.273,-2.298 ; U1000.C9@7.814,-2.758 v1(8.273,-2.758) ; 7.814,0 v1(7.814,0.46) ; v1(7.814,0.46) U1000.G5@7.814,0.919 ; U1000.G5@7.814,0.919 v1(8.273,0.919) 8.273,1.379 ; U1000.G5@7.814,0.919 7.814,1.379 8.273,1.379 ; U1000.J3@7.814,2.758 7.814,2.298 U1000.H3@8.273,2.298 ; U1000.J3@7.814,2.758 8.273,2.758 ; U1000.B9@8.273,-3.217 v1(8.273,-2.758) ; v1(8.273,-2.758) U1000.C8@8.273,-2.298 ; 8.273,1.379 8.733,1.379 ; U1000.H3@8.273,2.298 8.707,2.298 v1@8.73,2.275 ; U1000.H3@8.273,2.298 8.273,2.758 ; 8.273,2.758 U1000.H2@8.733,2.758 ; v1@8.73,2.275 8.733,2.278 U1000.H2@8.733,2.758 ; v1@8.73,2.275 8.733,2.272 8.733,1.379 ; 8.733,1.379 U1000.F3@9.192,1.379 v1(9.652,1.379) U1000.E3@9.652,0.919 10.112,0.919 ; 10.112,0.919 U1000.D2@10.571,0.919 v1(10.571,0.46) ; 10.112,0.919 U1000.D3@10.112,0.46 v1(10.571,0.46)